# Altium PCB GEM_AFE_128.PcbDoc (part 3 of 18) (continued)
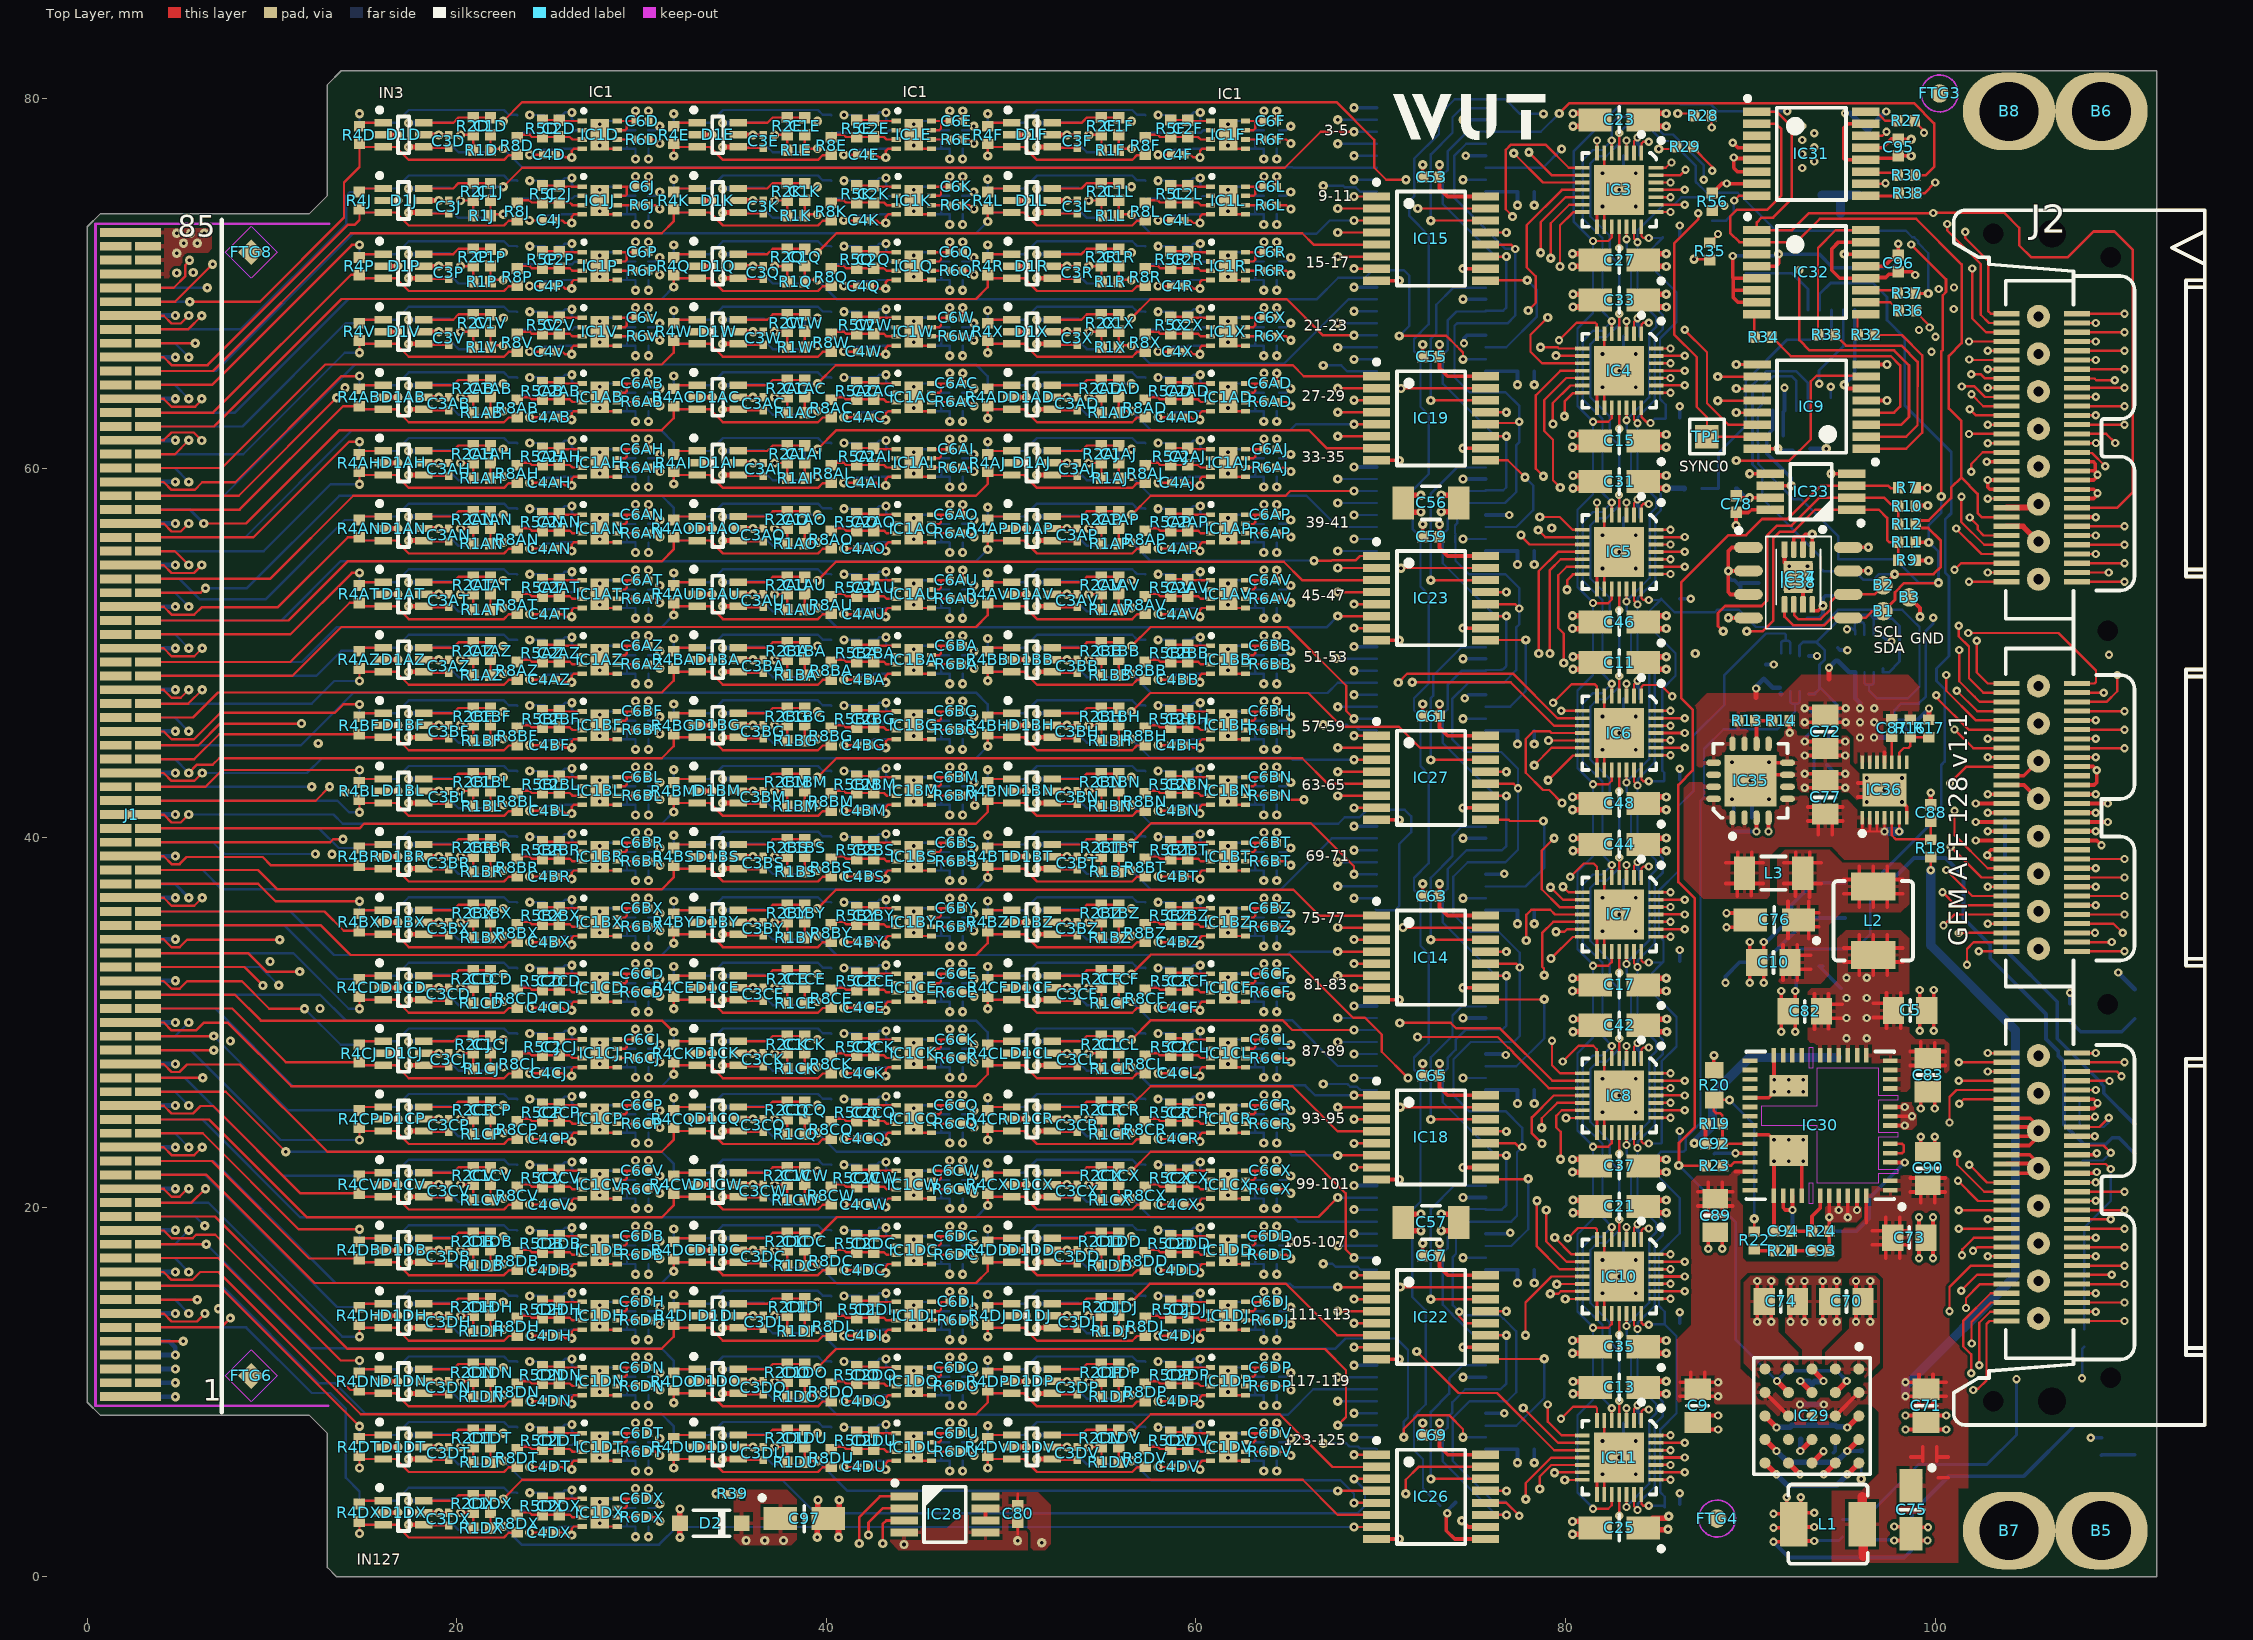
[diagram p0: Top Layer view]
## Components (designator, comment, footprint, x,y, rotation, side; value= is the part's Value field where it differs from the comment) (continued)
IC1AL "OPA858IDSG" TEXAS_DSG0008A 44.725,56.725 r0 bottom (schematic designator IC1)
IC1AM "OPA858IDSG" TEXAS_DSG0008A 61.725,56.725 r0 bottom (schematic designator IC1)
IC1AN "OPA858IDSG" TEXAS_DSG0008A 27.736,56.725 r0 top (schematic designator IC1)
IC1AO "OPA858IDSG" TEXAS_DSG0008A 44.736,56.725 r0 top (schematic designator IC1)
IC1AP "OPA858IDSG" TEXAS_DSG0008A 61.736,56.725 r0 top (schematic designator IC1)
IC1AQ "OPA858IDSG" TEXAS_DSG0008A 27.725,53.175 r0 bottom (schematic designator IC1)
IC1AR "OPA858IDSG" TEXAS_DSG0008A 44.725,53.175 r0 bottom (schematic designator IC1)
IC1AS "OPA858IDSG" TEXAS_DSG0008A 61.725,53.175 r0 bottom (schematic designator IC1)
IC1AT "OPA858IDSG" TEXAS_DSG0008A 27.736,53.175 r0 top (schematic designator IC1)
IC1AU "OPA858IDSG" TEXAS_DSG0008A 44.736,53.175 r0 top (schematic designator IC1)
IC1AV "OPA858IDSG" TEXAS_DSG0008A 61.736,53.175 r0 top (schematic designator IC1)
IC1AW "OPA858IDSG" TEXAS_DSG0008A 27.725,49.625 r0 bottom (schematic designator IC1)
IC1AX "OPA858IDSG" TEXAS_DSG0008A 44.725,49.625 r0 bottom (schematic designator IC1)
IC1AY "OPA858IDSG" TEXAS_DSG0008A 61.725,49.625 r0 bottom (schematic designator IC1)
IC1AZ "OPA858IDSG" TEXAS_DSG0008A 27.736,49.625 r0 top (schematic designator IC1)
IC1B "OPA858IDSG" TEXAS_DSG0008A 44.725,78.025 r0 bottom (schematic designator IC1)
IC1BA "OPA858IDSG" TEXAS_DSG0008A 44.736,49.625 r0 top (schematic designator IC1)
IC1BB "OPA858IDSG" TEXAS_DSG0008A 61.736,49.625 r0 top (schematic designator IC1)
IC1BC "OPA858IDSG" TEXAS_DSG0008A 27.725,46.075 r0 bottom (schematic designator IC1)
IC1BD "OPA858IDSG" TEXAS_DSG0008A 44.725,46.075 r0 bottom (schematic designator IC1)
IC1BE "OPA858IDSG" TEXAS_DSG0008A 61.725,46.075 r0 bottom (schematic designator IC1)
IC1BF "OPA858IDSG" TEXAS_DSG0008A 27.736,46.075 r0 top (schematic designator IC1)
IC1BG "OPA858IDSG" TEXAS_DSG0008A 44.736,46.075 r0 top (schematic designator IC1)
IC1BH "OPA858IDSG" TEXAS_DSG0008A 61.736,46.075 r0 top (schematic designator IC1)
IC1BI "OPA858IDSG" TEXAS_DSG0008A 27.725,42.525 r0 bottom (schematic designator IC1)
IC1BJ "OPA858IDSG" TEXAS_DSG0008A 44.725,42.525 r0 bottom (schematic designator IC1)
IC1BK "OPA858IDSG" TEXAS_DSG0008A 61.725,42.525 r0 bottom (schematic designator IC1)
IC1BL "OPA858IDSG" TEXAS_DSG0008A 27.736,42.525 r0 top (schematic designator IC1)
IC1BM "OPA858IDSG" TEXAS_DSG0008A 44.736,42.525 r0 top (schematic designator IC1)
IC1BN "OPA858IDSG" TEXAS_DSG0008A 61.736,42.525 r0 top (schematic designator IC1)
IC1BO "OPA858IDSG" TEXAS_DSG0008A 27.725,38.975 r0 bottom (schematic designator IC1)
IC1BP "OPA858IDSG" TEXAS_DSG0008A 44.725,38.975 r0 bottom (schematic designator IC1)
IC1BQ "OPA858IDSG" TEXAS_DSG0008A 61.725,38.975 r0 bottom (schematic designator IC1)
IC1BR "OPA858IDSG" TEXAS_DSG0008A 27.736,38.975 r0 top (schematic designator IC1)
IC1BS "OPA858IDSG" TEXAS_DSG0008A 44.736,38.975 r0 top (schematic designator IC1)
IC1BT "OPA858IDSG" TEXAS_DSG0008A 61.736,38.975 r0 top (schematic designator IC1)
IC1BU "OPA858IDSG" TEXAS_DSG0008A 27.725,35.425 r0 bottom (schematic designator IC1)
IC1BV "OPA858IDSG" TEXAS_DSG0008A 44.725,35.425 r0 bottom (schematic designator IC1)
IC1BW "OPA858IDSG" TEXAS_DSG0008A 61.725,35.425 r0 bottom (schematic designator IC1)
IC1BX "OPA858IDSG" TEXAS_DSG0008A 27.736,35.425 r0 top (schematic designator IC1)
IC1BY "OPA858IDSG" TEXAS_DSG0008A 44.736,35.425 r0 top (schematic designator IC1)
IC1BZ "OPA858IDSG" TEXAS_DSG0008A 61.736,35.425 r0 top (schematic designator IC1)
IC1C "OPA858IDSG" TEXAS_DSG0008A 61.725,78.025 r0 bottom (schematic designator IC1)
IC1CA "OPA858IDSG" TEXAS_DSG0008A 27.725,31.875 r0 bottom (schematic designator IC1)
IC1CB "OPA858IDSG" TEXAS_DSG0008A 44.725,31.875 r0 bottom (schematic designator IC1)
IC1CC "OPA858IDSG" TEXAS_DSG0008A 61.725,31.875 r0 bottom (schematic designator IC1)
IC1CD "OPA858IDSG" TEXAS_DSG0008A 27.736,31.875 r0 top (schematic designator IC1)
IC1CE "OPA858IDSG" TEXAS_DSG0008A 44.736,31.875 r0 top (schematic designator IC1)
IC1CF "OPA858IDSG" TEXAS_DSG0008A 61.736,31.875 r0 top (schematic designator IC1)
IC1CG "OPA858IDSG" TEXAS_DSG0008A 27.725,28.325 r0 bottom (schematic designator IC1)
IC1CH "OPA858IDSG" TEXAS_DSG0008A 44.725,28.325 r0 bottom (schematic designator IC1)
IC1CI "OPA858IDSG" TEXAS_DSG0008A 61.725,28.325 r0 bottom (schematic designator IC1)
IC1CJ "OPA858IDSG" TEXAS_DSG0008A 27.736,28.325 r0 top (schematic designator IC1)
IC1CK "OPA858IDSG" TEXAS_DSG0008A 44.736,28.325 r0 top (schematic designator IC1)
IC1CL "OPA858IDSG" TEXAS_DSG0008A 61.736,28.325 r0 top (schematic designator IC1)
IC1CM "OPA858IDSG" TEXAS_DSG0008A 27.725,24.775 r0 bottom (schematic designator IC1)
IC1CN "OPA858IDSG" TEXAS_DSG0008A 44.725,24.775 r0 bottom (schematic designator IC1)
IC1CO "OPA858IDSG" TEXAS_DSG0008A 61.725,24.775 r0 bottom (schematic designator IC1)
IC1CP "OPA858IDSG" TEXAS_DSG0008A 27.736,24.775 r0 top (schematic designator IC1)
IC1CQ "OPA858IDSG" TEXAS_DSG0008A 44.736,24.775 r0 top (schematic designator IC1)
IC1CR "OPA858IDSG" TEXAS_DSG0008A 61.736,24.775 r0 top (schematic designator IC1)
IC1CS "OPA858IDSG" TEXAS_DSG0008A 27.725,21.225 r0 bottom (schematic designator IC1)
IC1CT "OPA858IDSG" TEXAS_DSG0008A 44.725,21.225 r0 bottom (schematic designator IC1)
IC1CU "OPA858IDSG" TEXAS_DSG0008A 61.725,21.225 r0 bottom (schematic designator IC1)
IC1CV "OPA858IDSG" TEXAS_DSG0008A 27.736,21.225 r0 top (schematic designator IC1)
IC1CW "OPA858IDSG" TEXAS_DSG0008A 44.736,21.225 r0 top (schematic designator IC1)
IC1CX "OPA858IDSG" TEXAS_DSG0008A 61.736,21.225 r0 top (schematic designator IC1)
IC1CY "OPA858IDSG" TEXAS_DSG0008A 27.725,17.675 r0 bottom (schematic designator IC1)
IC1CZ "OPA858IDSG" TEXAS_DSG0008A 44.725,17.675 r0 bottom (schematic designator IC1)
IC1D "OPA858IDSG" TEXAS_DSG0008A 27.736,78.025 r0 top (schematic designator IC1)
IC1DA "OPA858IDSG" TEXAS_DSG0008A 61.725,17.675 r0 bottom (schematic designator IC1)
IC1DB "OPA858IDSG" TEXAS_DSG0008A 27.736,17.675 r0 top (schematic designator IC1)
IC1DC "OPA858IDSG" TEXAS_DSG0008A 44.736,17.675 r0 top (schematic designator IC1)
IC1DD "OPA858IDSG" TEXAS_DSG0008A 61.736,17.675 r0 top (schematic designator IC1)
IC1DE "OPA858IDSG" TEXAS_DSG0008A 27.725,14.125 r0 bottom (schematic designator IC1)
IC1DF "OPA858IDSG" TEXAS_DSG0008A 44.725,14.125 r0 bottom (schematic designator IC1)
IC1DG "OPA858IDSG" TEXAS_DSG0008A 61.725,14.125 r0 bottom (schematic designator IC1)
IC1DH "OPA858IDSG" TEXAS_DSG0008A 27.736,14.125 r0 top (schematic designator IC1)
IC1DI "OPA858IDSG" TEXAS_DSG0008A 44.736,14.125 r0 top (schematic designator IC1)
IC1DJ "OPA858IDSG" TEXAS_DSG0008A 61.736,14.125 r0 top (schematic designator IC1)
IC1DK "OPA858IDSG" TEXAS_DSG0008A 27.725,10.575 r0 bottom (schematic designator IC1)
IC1DL "OPA858IDSG" TEXAS_DSG0008A 44.725,10.575 r0 bottom (schematic designator IC1)
IC1DM "OPA858IDSG" TEXAS_DSG0008A 61.725,10.575 r0 bottom (schematic designator IC1)
IC1DN "OPA858IDSG" TEXAS_DSG0008A 27.736,10.575 r0 top (schematic designator IC1)
IC1DO "OPA858IDSG" TEXAS_DSG0008A 44.736,10.575 r0 top (schematic designator IC1)
IC1DP "OPA858IDSG" TEXAS_DSG0008A 61.736,10.575 r0 top (schematic designator IC1)
IC1DQ "OPA858IDSG" TEXAS_DSG0008A 27.725,7.025 r0 bottom (schematic designator IC1)
IC1DR "OPA858IDSG" TEXAS_DSG0008A 44.725,7.025 r0 bottom (schematic designator IC1)
IC1DS "OPA858IDSG" TEXAS_DSG0008A 61.725,7.025 r0 bottom (schematic designator IC1)
IC1DT "OPA858IDSG" TEXAS_DSG0008A 27.736,7.025 r0 top (schematic designator IC1)
IC1DU "OPA858IDSG" TEXAS_DSG0008A 44.736,7.025 r0 top (schematic designator IC1)
IC1DV "OPA858IDSG" TEXAS_DSG0008A 61.736,7.025 r0 top (schematic designator IC1)
IC1DW "OPA858IDSG" TEXAS_DSG0008A 27.725,3.475 r0 bottom (schematic designator IC1)
IC1DX "OPA858IDSG" TEXAS_DSG0008A 27.736,3.475 r0 top (schematic designator IC1)
IC1E "OPA858IDSG" TEXAS_DSG0008A 44.736,78.025 r0 top (schematic designator IC1)
IC1F "OPA858IDSG" TEXAS_DSG0008A 61.736,78.025 r0 top (schematic designator IC1)
IC1G "OPA858IDSG" TEXAS_DSG0008A 27.725,74.475 r0 bottom (schematic designator IC1)
IC1H "OPA858IDSG" TEXAS_DSG0008A 44.725,74.475 r0 bottom (schematic designator IC1)
IC1I "OPA858IDSG" TEXAS_DSG0008A 61.725,74.475 r0 bottom (schematic designator IC1)
IC1J "OPA858IDSG" TEXAS_DSG0008A 27.736,74.475 r0 top (schematic designator IC1)
IC1K "OPA858IDSG" TEXAS_DSG0008A 44.736,74.475 r0 top (schematic designator IC1)
IC1L "OPA858IDSG" TEXAS_DSG0008A 61.736,74.475 r0 top (schematic designator IC1)
IC1M "OPA858IDSG" TEXAS_DSG0008A 27.725,70.925 r0 bottom (schematic designator IC1)
IC1N "OPA858IDSG" TEXAS_DSG0008A 44.725,70.925 r0 bottom (schematic designator IC1)
IC1O "OPA858IDSG" TEXAS_DSG0008A 61.725,70.925 r0 bottom (schematic designator IC1)
IC1P "OPA858IDSG" TEXAS_DSG0008A 27.736,70.925 r0 top (schematic designator IC1)
IC1Q "OPA858IDSG" TEXAS_DSG0008A 44.736,70.925 r0 top (schematic designator IC1)
IC1R "OPA858IDSG" TEXAS_DSG0008A 61.736,70.925 r0 top (schematic designator IC1)
IC1S "OPA858IDSG" TEXAS_DSG0008A 27.725,67.375 r0 bottom (schematic designator IC1)
IC1T "OPA858IDSG" TEXAS_DSG0008A 44.725,67.375 r0 bottom (schematic designator IC1)
IC1U "OPA858IDSG" TEXAS_DSG0008A 61.725,67.375 r0 bottom (schematic designator IC1)
IC1V "OPA858IDSG" TEXAS_DSG0008A 27.736,67.375 r0 top (schematic designator IC1)
IC1W "OPA858IDSG" TEXAS_DSG0008A 44.736,67.375 r0 top (schematic designator IC1)
IC1X "OPA858IDSG" TEXAS_DSG0008A 61.736,67.375 r0 top (schematic designator IC1)
IC1Y "OPA858IDSG" TEXAS_DSG0008A 27.725,63.825 r0 bottom (schematic designator IC1)
IC1Z "OPA858IDSG" TEXAS_DSG0008A 44.725,63.825 r0 bottom (schematic designator IC1)
IC2 "MAX11617EEE+T" "16 QSOP" 93.434,65.833 r270 bottom
IC3 "AD5674RBCPZ-1" QFN40P400X400X100-29N-S270 82.9,75.05 r270 top
IC4 "AD5674RBCPZ-1" QFN40P400X400X100-29N-S270 82.902,65.265 r270 top
IC5 "AD5674RBCPZ-1" QFN40P400X400X100-29N-S270 82.9,55.458 r270 top
IC6 "AD5674RBCPZ-1" QFN40P400X400X100-29N-S270 82.9,45.658 r270 top
IC7 "AD5674RBCPZ-1" QFN40P400X400X100-29N-S270 82.9,35.841 r270 top
IC8 "AD5674RBCPZ-1" QFN40P400X400X100-29N-S270 82.9,26.045 r270 top
IC9 "SN74LVC138APW" SOP65P640X110-16N 93.315,63.325 r180 top
IC10 "AD5674RBCPZ-1" QFN40P400X400X100-29N-S270 82.9,16.249 r270 top
IC11 "AD5674RBCPZ-1" QFN40P400X400X100-29N-S270 82.9,6.453 r270 top
IC12 "SN74LV595APWT" SOP65P640X120-16N 72.725,38.339 r0 bottom
IC13 "SN74LV595APWT" SOP65P640X120-16N 72.725,77.225 r0 bottom
IC14 "SN74LV595APWT" SOP65P640X120-16N 72.723,33.507 r0 top
IC15 "SN74LV595APWT" SOP65P640X120-16N 72.723,72.416 r0 top
IC16 "SN74LV595APWT" SOP65P640X120-16N 72.725,28.618 r0 bottom
IC17 "SN74LV595APWT" SOP65P640X120-16N 72.725,67.504 r0 bottom
IC18 "SN74LV595APWT" SOP65P640X120-16N 72.723,23.78 r0 top
IC19 "SN74LV595APWT" SOP65P640X120-16N 72.723,62.689 r0 top
IC20 "SN74LV595APWT" SOP65P640X120-16N 72.725,18.896 r0 bottom
IC21 "SN74LV595APWT" SOP65P640X120-16N 72.725,57.782 r0 bottom
IC22 "SN74LV595APWT" SOP65P640X120-16N 72.723,14.052 r0 top
IC23 "SN74LV595APWT" SOP65P640X120-16N 72.723,52.961 r0 top
IC24 "SN74LV595APWT" SOP65P640X120-16N 72.725,9.175 r0 bottom
IC25 "SN74LV595APWT" SOP65P640X120-16N 72.725,48.061 r0 bottom
IC26 "SN74LV595APWT" SOP65P640X120-16N 72.725,4.325 r0 top
IC27 "SN74LV595APWT" SOP65P640X120-16N 72.723,43.234 r0 top
IC28 "LM75AIMM/NOPB" SOP65P490X109-8N 46.41,3.375 r0 top
IC29 "LTM4622AEY" BGA25C127P5X5_625X625X262 93.33,8.705 r270 top
IC30 "MIC45116-1YMP" MICROCHIP_H3QFN88-52LD-PL-3 93.775,24.425 r180 top
IC31 "SC18IS606PWJ" SOP65P640X110-16N 93.3,77 r0 top
IC32 "SC18IS606PWJ" SOP65P640X110-16N 93.3,70.6 r0 top
IC33 "LM75AIMM/NOPB" SOP65P490X109-8N 93.283,58.717 r180 top
IC34 "24AA64T-I/MC" SON50P300X200X100-9N-R175X155 92.598,54.099 r270 top
IC35 "MIC68400YML" QFN65P400X400X100-17N-S280 90.008,43.077 r90 top
IC36 "MAX38908ATD" SON40P300X300X80-15N-R180X240 97.255,42.578 r90 top
IC37 "24AA64T-E/MNY" TDFN8_2X3MM+EP_N 92.598,54.099 r180 top
IC38 "24AA64-E/SN" SOIC8_N 92.598,53.799 r0 top
IC39 "24AA64T-I/MS" MSOP-8 92.598,54.099 r0 bottom
J1 "uTCA" MICRO-TCA 2.35,41.25 r0 top
J2 "" SAMTEC_QSH-090-01-F-D-RA 109.17,41.091 r90 top locked
L1 "1uH" IND_BOURNS_SRP4020TA 94.2,2.85 r0 top
L2 "1uH" IND_BOURNS_SRP4020TA 96.65,35.5 r90 top
L3 "120R@100MHz" IND_MURATA_BLM31KN 91.255,38.078 r180 top
L4 "470R@100MHz" INDC1608X95N 94.877,75.575 r90 bottom
LD1 "Green" LED_KINGBRIGHT_KPA-1606CGCK 110.8,23.7 r90 bottom
LD2 "Green" LED_KINGBRIGHT_KPA-1606CGCK 110.8,7.4 r90 bottom
LD3 "Green" LED_KINGBRIGHT_KPA-1606CGCK 110.8,31 r90 bottom
R1A "100k" RESC1005X40N 21.357,78.859 r0 bottom (schematic designator R1)
R1AA "100k" RESC1005X40N 55.357,64.659 r0 bottom (schematic designator R1)
R1AB "100k" RESC1005X40N 21.357,62.991 r0 top (schematic designator R1)
R1AC "100k" RESC1005X40N 38.357,62.991 r0 top (schematic designator R1)
R1AD "100k" RESC1005X40N 55.357,62.991 r0 top (schematic designator R1)
R1AE "100k" RESC1005X40N 21.357,61.109 r0 bottom (schematic designator R1)
R1AF "100k" RESC1005X40N 38.357,61.109 r0 bottom (schematic designator R1)
R1AG "100k" RESC1005X40N 55.357,61.109 r0 bottom (schematic designator R1)
R1AH "100k" RESC1005X40N 21.357,59.441 r0 top (schematic designator R1)
R1AI "100k" RESC1005X40N 38.357,59.441 r0 top (schematic designator R1)
R1AJ "100k" RESC1005X40N 55.357,59.441 r0 top (schematic designator R1)
R1AK "100k" RESC1005X40N 21.357,57.559 r0 bottom (schematic designator R1)
R1AL "100k" RESC1005X40N 38.357,57.559 r0 bottom (schematic designator R1)
R1AM "100k" RESC1005X40N 55.357,57.559 r0 bottom (schematic designator R1)
R1AN "100k" RESC1005X40N 21.357,55.891 r0 top (schematic designator R1)
R1AO "100k" RESC1005X40N 38.357,55.891 r0 top (schematic designator R1)
R1AP "100k" RESC1005X40N 55.357,55.891 r0 top (schematic designator R1)
R1AQ "100k" RESC1005X40N 21.357,54.009 r0 bottom (schematic designator R1)
R1AR "100k" RESC1005X40N 38.357,54.009 r0 bottom (schematic designator R1)
R1AS "100k" RESC1005X40N 55.357,54.009 r0 bottom (schematic designator R1)
R1AT "100k" RESC1005X40N 21.357,52.341 r0 top (schematic designator R1)
R1AU "100k" RESC1005X40N 38.357,52.341 r0 top (schematic designator R1)
R1AV "100k" RESC1005X40N 55.357,52.341 r0 top (schematic designator R1)
R1AW "100k" RESC1005X40N 21.357,50.459 r0 bottom (schematic designator R1)
R1AX "100k" RESC1005X40N 38.357,50.459 r0 bottom (schematic designator R1)
R1AY "100k" RESC1005X40N 55.357,50.459 r0 bottom (schematic designator R1)
R1AZ "100k" RESC1005X40N 21.357,48.791 r0 top (schematic designator R1)
R1B "100k" RESC1005X40N 38.357,78.859 r0 bottom (schematic designator R1)
R1BA "100k" RESC1005X40N 38.357,48.791 r0 top (schematic designator R1)
R1BB "100k" RESC1005X40N 55.357,48.791 r0 top (schematic designator R1)
R1BC "100k" RESC1005X40N 21.357,46.909 r0 bottom (schematic designator R1)
R1BD "100k" RESC1005X40N 38.357,46.909 r0 bottom (schematic designator R1)
R1BE "100k" RESC1005X40N 55.357,46.909 r0 bottom (schematic designator R1)
R1BF "100k" RESC1005X40N 21.357,45.241 r0 top (schematic designator R1)
R1BG "100k" RESC1005X40N 38.357,45.241 r0 top (schematic designator R1)
R1BH "100k" RESC1005X40N 55.357,45.241 r0 top (schematic designator R1)
R1BI "100k" RESC1005X40N 21.357,43.359 r0 bottom (schematic designator R1)
R1BJ "100k" RESC1005X40N 38.357,43.359 r0 bottom (schematic designator R1)
R1BK "100k" RESC1005X40N 55.357,43.359 r0 bottom (schematic designator R1)
R1BL "100k" RESC1005X40N 21.357,41.691 r0 top (schematic designator R1)
R1BM "100k" RESC1005X40N 38.357,41.691 r0 top (schematic designator R1)
R1BN "100k" RESC1005X40N 55.357,41.691 r0 top (schematic designator R1)
R1BO "100k" RESC1005X40N 21.357,39.809 r0 bottom (schematic designator R1)
R1BP "100k" RESC1005X40N 38.357,39.809 r0 bottom (schematic designator R1)
R1BQ "100k" RESC1005X40N 55.357,39.809 r0 bottom (schematic designator R1)
R1BR "100k" RESC1005X40N 21.357,38.141 r0 top (schematic designator R1)
R1BS "100k" RESC1005X40N 38.357,38.141 r0 top (schematic designator R1)
R1BT "100k" RESC1005X40N 55.357,38.141 r0 top (schematic designator R1)
R1BU "100k" RESC1005X40N 21.357,36.259 r0 bottom (schematic designator R1)
R1BV "100k" RESC1005X40N 38.357,36.259 r0 bottom (schematic designator R1)
R1BW "100k" RESC1005X40N 55.357,36.259 r0 bottom (schematic designator R1)
R1BX "100k" RESC1005X40N 21.357,34.591 r0 top (schematic designator R1)
R1BY "100k" RESC1005X40N 38.357,34.591 r0 top (schematic designator R1)
R1BZ "100k" RESC1005X40N 55.357,34.591 r0 top (schematic designator R1)
R1C "100k" RESC1005X40N 55.357,78.859 r0 bottom (schematic designator R1)
R1CA "100k" RESC1005X40N 21.357,32.709 r0 bottom (schematic designator R1)
R1CB "100k" RESC1005X40N 38.357,32.709 r0 bottom (schematic designator R1)
R1CC "100k" RESC1005X40N 55.357,32.709 r0 bottom (schematic designator R1)
R1CD "100k" RESC1005X40N 21.357,31.041 r0 top (schematic designator R1)
R1CE "100k" RESC1005X40N 38.357,31.041 r0 top (schematic designator R1)
R1CF "100k" RESC1005X40N 55.357,31.041 r0 top (schematic designator R1)
R1CG "100k" RESC1005X40N 21.357,29.159 r0 bottom (schematic designator R1)
R1CH "100k" RESC1005X40N 38.357,29.159 r0 bottom (schematic designator R1)
R1CI "100k" RESC1005X40N 55.357,29.159 r0 bottom (schematic designator R1)
R1CJ "100k" RESC1005X40N 21.357,27.491 r0 top (schematic designator R1)
R1CK "100k" RESC1005X40N 38.357,27.491 r0 top (schematic designator R1)
R1CL "100k" RESC1005X40N 55.357,27.491 r0 top (schematic designator R1)
R1CM "100k" RESC1005X40N 21.357,25.609 r0 bottom (schematic designator R1)
R1CN "100k" RESC1005X40N 38.357,25.609 r0 bottom (schematic designator R1)
R1CO "100k" RESC1005X40N 55.357,25.609 r0 bottom (schematic designator R1)
R1CP "100k" RESC1005X40N 21.357,23.941 r0 top (schematic designator R1)
R1CQ "100k" RESC1005X40N 38.357,23.941 r0 top (schematic designator R1)
R1CR "100k" RESC1005X40N 55.357,23.941 r0 top (schematic designator R1)
R1CS "100k" RESC1005X40N 21.357,22.059 r0 bottom (schematic designator R1)
R1CT "100k" RESC1005X40N 38.357,22.059 r0 bottom (schematic designator R1)
R1CU "100k" RESC1005X40N 55.357,22.059 r0 bottom (schematic designator R1)
R1CV "100k" RESC1005X40N 21.357,20.391 r0 top (schematic designator R1)
R1CW "100k" RESC1005X40N 38.357,20.391 r0 top (schematic designator R1)
R1CX "100k" RESC1005X40N 55.357,20.391 r0 top (schematic designator R1)
R1CY "100k" RESC1005X40N 21.357,18.509 r0 bottom (schematic designator R1)
R1CZ "100k" RESC1005X40N 38.357,18.509 r0 bottom (schematic designator R1)
R1D "100k" RESC1005X40N 21.357,77.191 r0 top (schematic designator R1)
R1DA "100k" RESC1005X40N 55.357,18.509 r0 bottom (schematic designator R1)
R1DB "100k" RESC1005X40N 21.357,16.841 r0 top (schematic designator R1)
R1DC "100k" RESC1005X40N 38.357,16.841 r0 top (schematic designator R1)
R1DD "100k" RESC1005X40N 55.357,16.841 r0 top (schematic designator R1)
R1DE "100k" RESC1005X40N 21.357,14.959 r0 bottom (schematic designator R1)
R1DF "100k" RESC1005X40N 38.357,14.959 r0 bottom (schematic designator R1)
R1DG "100k" RESC1005X40N 55.357,14.959 r0 bottom (schematic designator R1)
R1DH "100k" RESC1005X40N 21.357,13.291 r0 top (schematic designator R1)
R1DI "100k" RESC1005X40N 38.357,13.291 r0 top (schematic designator R1)
R1DJ "100k" RESC1005X40N 55.357,13.291 r0 top (schematic designator R1)
R1DK "100k" RESC1005X40N 21.357,11.409 r0 bottom (schematic designator R1)
R1DL "100k" RESC1005X40N 38.357,11.409 r0 bottom (schematic designator R1)
R1DM "100k" RESC1005X40N 55.357,11.409 r0 bottom (schematic designator R1)
R1DN "100k" RESC1005X40N 21.357,9.741 r0 top (schematic designator R1)
R1DO "100k" RESC1005X40N 38.357,9.741 r0 top (schematic designator R1)
R1DP "100k" RESC1005X40N 55.357,9.741 r0 top (schematic designator R1)
R1DQ "100k" RESC1005X40N 21.357,7.859 r0 bottom (schematic designator R1)
R1DR "100k" RESC1005X40N 38.357,7.859 r0 bottom (schematic designator R1)
R1DS "100k" RESC1005X40N 55.357,7.859 r0 bottom (schematic designator R1)
R1DT "100k" RESC1005X40N 21.357,6.191 r0 top (schematic designator R1)
R1DU "100k" RESC1005X40N 38.357,6.191 r0 top (schematic designator R1)
R1DV "100k" RESC1005X40N 55.357,6.191 r0 top (schematic designator R1)
R1DW "100k" RESC1005X40N 21.357,4.309 r0 bottom (schematic designator R1)
R1DX "100k" RESC1005X40N 21.357,2.641 r0 top (schematic designator R1)
R1E "100k" RESC1005X40N 38.357,77.191 r0 top (schematic designator R1)
R1F "100k" RESC1005X40N 55.357,77.191 r0 top (schematic designator R1)
R1G "100k" RESC1005X40N 21.357,75.309 r0 bottom (schematic designator R1)
R1H "100k" RESC1005X40N 38.357,75.309 r0 bottom (schematic designator R1)
R1I "100k" RESC1005X40N 55.357,75.309 r0 bottom (schematic designator R1)
R1J "100k" RESC1005X40N 21.357,73.641 r0 top (schematic designator R1)
R1K "100k" RESC1005X40N 38.357,73.641 r0 top (schematic designator R1)
R1L "100k" RESC1005X40N 55.357,73.641 r0 top (schematic designator R1)
R1M "100k" RESC1005X40N 21.357,71.759 r0 bottom (schematic designator R1)
R1N "100k" RESC1005X40N 38.357,71.759 r0 bottom (schematic designator R1)
R1O "100k" RESC1005X40N 55.357,71.759 r0 bottom (schematic designator R1)
R1P "100k" RESC1005X40N 21.357,70.091 r0 top (schematic designator R1)
R1Q "100k" RESC1005X40N 38.357,70.091 r0 top (schematic designator R1)
R1R "100k" RESC1005X40N 55.357,70.091 r0 top (schematic designator R1)
R1S "100k" RESC1005X40N 21.357,68.209 r0 bottom (schematic designator R1)
R1T "100k" RESC1005X40N 38.357,68.209 r0 bottom (schematic designator R1)
R1U "100k" RESC1005X40N 55.357,68.209 r0 bottom (schematic designator R1)
R1V "100k" RESC1005X40N 21.357,66.541 r0 top (schematic designator R1)
R1W "100k" RESC1005X40N 38.357,66.541 r0 top (schematic designator R1)
R1X "100k" RESC1005X40N 55.357,66.541 r0 top (schematic designator R1)
R1Y "100k" RESC1005X40N 21.357,64.659 r0 bottom (schematic designator R1)
R1Z "100k" RESC1005X40N 38.357,64.659 r0 bottom (schematic designator R1)
R2A "100k" RESC1005X40N 20.887,77.555 r270 bottom (schematic designator R2)
R2AA "100k" RESC1005X40N 54.887,63.355 r270 bottom (schematic designator R2)
R2AB "100k" RESC1005X40N 20.887,64.295 r90 top (schematic designator R2)
R2AC "100k" RESC1005X40N 37.887,64.295 r90 top (schematic designator R2)
R2AD "100k" RESC1005X40N 54.887,64.295 r90 top (schematic designator R2)
R2AE "100k" RESC1005X40N 20.887,59.805 r270 bottom (schematic designator R2)
R2AF "100k" RESC1005X40N 37.887,59.805 r270 bottom (schematic designator R2)
R2AG "100k" RESC1005X40N 54.887,59.805 r270 bottom (schematic designator R2)
R2AH "100k" RESC1005X40N 20.887,60.745 r90 top (schematic designator R2)
R2AI "100k" RESC1005X40N 37.887,60.745 r90 top (schematic designator R2)
R2AJ "100k" RESC1005X40N 54.887,60.745 r90 top (schematic designator R2)
R2AK "100k" RESC1005X40N 20.887,56.255 r270 bottom (schematic designator R2)
R2AL "100k" RESC1005X40N 37.887,56.255 r270 bottom (schematic designator R2)
R2AM "100k" RESC1005X40N 54.887,56.255 r270 bottom (schematic designator R2)
R2AN "100k" RESC1005X40N 20.887,57.195 r90 top (schematic designator R2)
R2AO "100k" RESC1005X40N 37.887,57.195 r90 top (schematic designator R2)
R2AP "100k" RESC1005X40N 54.887,57.195 r90 top (schematic designator R2)
R2AQ "100k" RESC1005X40N 20.887,52.705 r270 bottom (schematic designator R2)
R2AR "100k" RESC1005X40N 37.887,52.705 r270 bottom (schematic designator R2)
R2AS "100k" RESC1005X40N 54.887,52.705 r270 bottom (schematic designator R2)
R2AT "100k" RESC1005X40N 20.887,53.645 r90 top (schematic designator R2)
R2AU "100k" RESC1005X40N 37.887,53.645 r90 top (schematic designator R2)
R2AV "100k" RESC1005X40N 54.887,53.645 r90 top (schematic designator R2)
R2AW "100k" RESC1005X40N 20.887,49.155 r270 bottom (schematic designator R2)
R2AX "100k" RESC1005X40N 37.887,49.155 r270 bottom (schematic designator R2)
R2AY "100k" RESC1005X40N 54.887,49.155 r270 bottom (schematic designator R2)
R2AZ "100k" RESC1005X40N 20.887,50.095 r90 top (schematic designator R2)
R2B "100k" RESC1005X40N 37.887,77.555 r270 bottom (schematic designator R2)
R2BA "100k" RESC1005X40N 37.887,50.095 r90 top (schematic designator R2)
R2BB "100k" RESC1005X40N 54.887,50.095 r90 top (schematic designator R2)
R2BC "100k" RESC1005X40N 20.887,45.605 r270 bottom (schematic designator R2)
R2BD "100k" RESC1005X40N 37.887,45.605 r270 bottom (schematic designator R2)
R2BE "100k" RESC1005X40N 54.887,45.605 r270 bottom (schematic designator R2)
R2BF "100k" RESC1005X40N 20.887,46.545 r90 top (schematic designator R2)
R2BG "100k" RESC1005X40N 37.887,46.545 r90 top (schematic designator R2)
R2BH "100k" RESC1005X40N 54.887,46.545 r90 top (schematic designator R2)
R2BI "100k" RESC1005X40N 20.887,42.055 r270 bottom (schematic designator R2)
R2BJ "100k" RESC1005X40N 37.887,42.055 r270 bottom (schematic designator R2)
R2BK "100k" RESC1005X40N 54.887,42.055 r270 bottom (schematic designator R2)
R2BL "100k" RESC1005X40N 20.887,42.995 r90 top (schematic designator R2)
R2BM "100k" RESC1005X40N 37.887,42.995 r90 top (schematic designator R2)
R2BN "100k" RESC1005X40N 54.887,42.995 r90 top (schematic designator R2)
R2BO "100k" RESC1005X40N 20.887,38.505 r270 bottom (schematic designator R2)
R2BP "100k" RESC1005X40N 37.887,38.505 r270 bottom (schematic designator R2)
R2BQ "100k" RESC1005X40N 54.887,38.505 r270 bottom (schematic designator R2)
R2BR "100k" RESC1005X40N 20.887,39.445 r90 top (schematic designator R2)
R2BS "100k" RESC1005X40N 37.887,39.445 r90 top (schematic designator R2)
R2BT "100k" RESC1005X40N 54.887,39.445 r90 top (schematic designator R2)
R2BU "100k" RESC1005X40N 20.887,34.955 r270 bottom (schematic designator R2)
R2BV "100k" RESC1005X40N 37.887,34.955 r270 bottom (schematic designator R2)
R2BW "100k" RESC1005X40N 54.887,34.955 r270 bottom (schematic designator R2)
R2BX "100k" RESC1005X40N 20.887,35.895 r90 top (schematic designator R2)
R2BY "100k" RESC1005X40N 37.887,35.895 r90 top (schematic designator R2)
R2BZ "100k" RESC1005X40N 54.887,35.895 r90 top (schematic designator R2)
R2C "100k" RESC1005X40N 54.887,77.555 r270 bottom (schematic designator R2)
R2CA "100k" RESC1005X40N 20.887,31.405 r270 bottom (schematic designator R2)
R2CB "100k" RESC1005X40N 37.887,31.405 r270 bottom (schematic designator R2)
R2CC "100k" RESC1005X40N 54.887,31.405 r270 bottom (schematic designator R2)
R2CD "100k" RESC1005X40N 20.887,32.345 r90 top (schematic designator R2)
R2CE "100k" RESC1005X40N 37.887,32.345 r90 top (schematic designator R2)
R2CF "100k" RESC1005X40N 54.887,32.345 r90 top (schematic designator R2)
R2CG "100k" RESC1005X40N 20.887,27.855 r270 bottom (schematic designator R2)
R2CH "100k" RESC1005X40N 37.887,27.855 r270 bottom (schematic designator R2)
R2CI "100k" RESC1005X40N 54.887,27.855 r270 bottom (schematic designator R2)
R2CJ "100k" RESC1005X40N 20.887,28.795 r90 top (schematic designator R2)
R2CK "100k" RESC1005X40N 37.887,28.795 r90 top (schematic designator R2)
R2CL "100k" RESC1005X40N 54.887,28.795 r90 top (schematic designator R2)
R2CM "100k" RESC1005X40N 20.887,24.305 r270 bottom (schematic designator R2)
R2CN "100k" RESC1005X40N 37.887,24.305 r270 bottom (schematic designator R2)
R2CO "100k" RESC1005X40N 54.887,24.305 r270 bottom (schematic designator R2)
R2CP "100k" RESC1005X40N 20.887,25.245 r90 top (schematic designator R2)
R2CQ "100k" RESC1005X40N 37.887,25.245 r90 top (schematic designator R2)
R2CR "100k" RESC1005X40N 54.887,25.245 r90 top (schematic designator R2)
R2CS "100k" RESC1005X40N 20.887,20.755 r270 bottom (schematic designator R2)
R2CT "100k" RESC1005X40N 37.887,20.755 r270 bottom (schematic designator R2)
R2CU "100k" RESC1005X40N 54.887,20.755 r270 bottom (schematic designator R2)
R2CV "100k" RESC1005X40N 20.887,21.695 r90 top (schematic designator R2)
R2CW "100k" RESC1005X40N 37.887,21.695 r90 top (schematic designator R2)
R2CX "100k" RESC1005X40N 54.887,21.695 r90 top (schematic designator R2)
R2CY "100k" RESC1005X40N 20.887,17.205 r270 bottom (schematic designator R2)
R2CZ "100k" RESC1005X40N 37.887,17.205 r270 bottom (schematic designator R2)
R2D "100k" RESC1005X40N 20.887,78.495 r90 top (schematic designator R2)
R2DA "100k" RESC1005X40N 54.887,17.205 r270 bottom (schematic designator R2)